# Altium PCB SkayboardAgain.PcbDoc (part 3 of 4)
Units mil, origin at the board's own origin, x right, y up, seen from the top; angles counter-clockwise.
Board outline 13972.57 x 4222.54 mil, 2 copper layers (Top Layer, Bottom Layer); 416 components, 229 nets, 1126 pads, 222 vias.
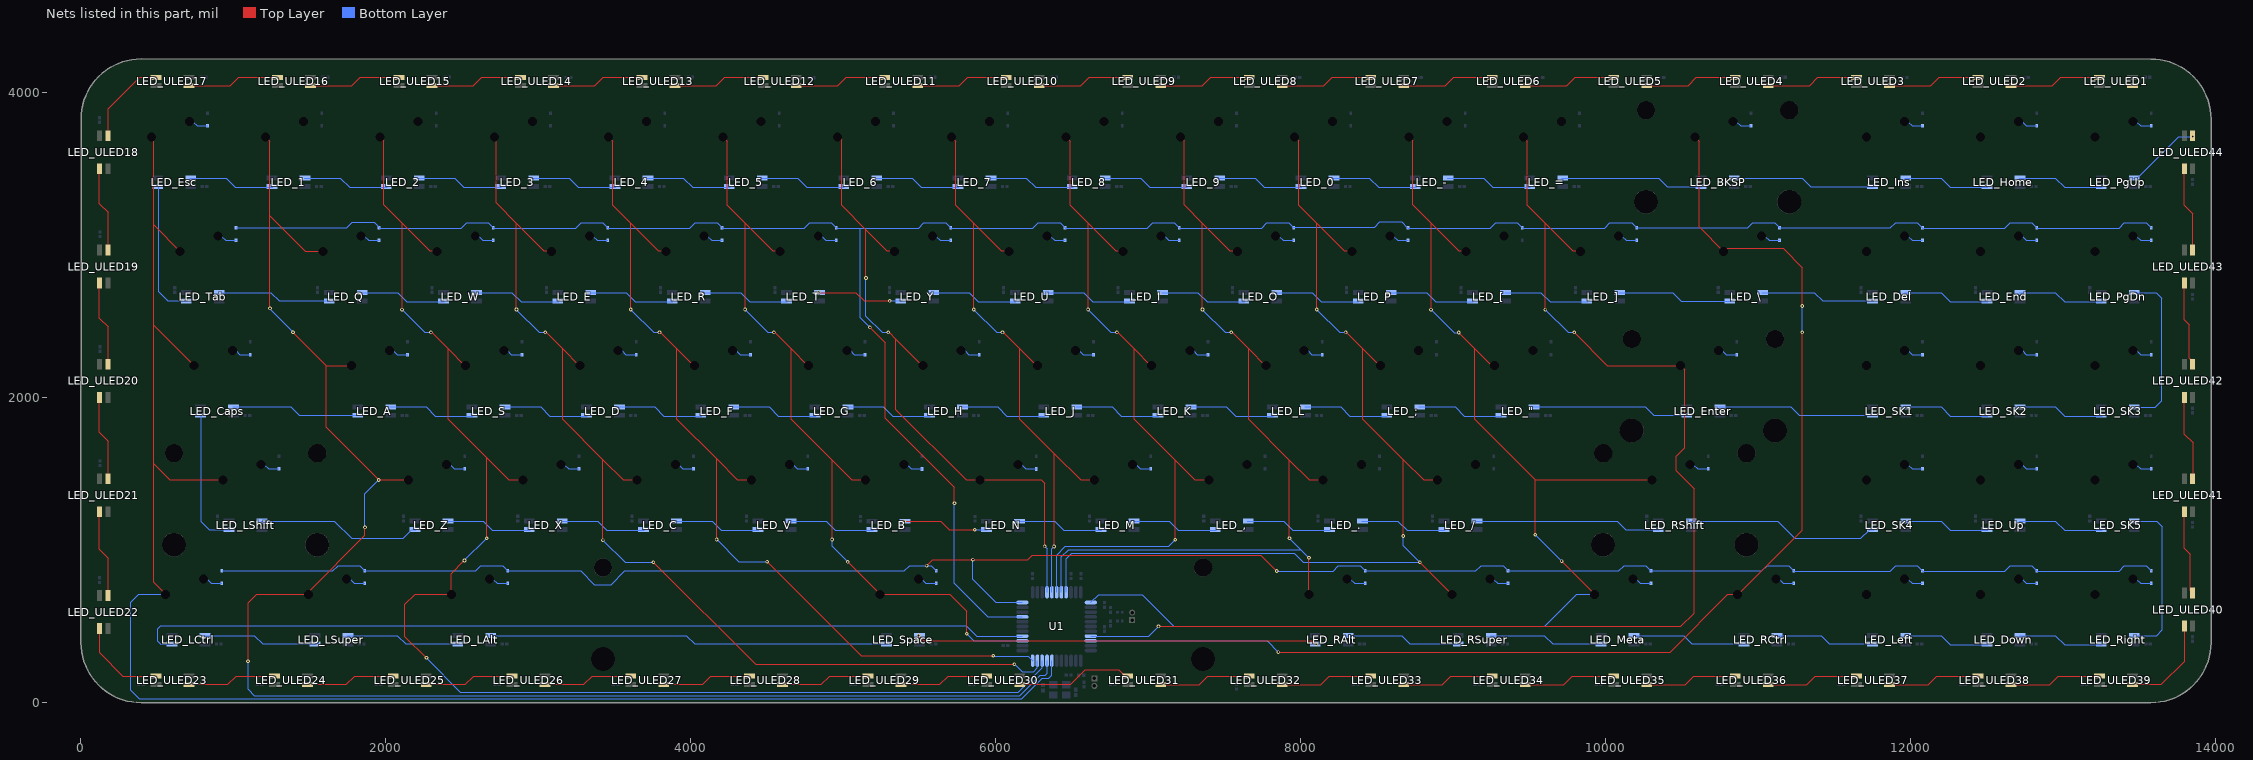
[diagram p3: the nets of this part, all layers, seen from the top]

## Via types
v1: diameter 35, hole 17, Top Layer to Bottom Layer, 135 vias
v2: diameter 24, hole 12, Top Layer to Bottom Layer, 86 vias
v3: diameter 30, hole 15, Top Layer to Bottom Layer, 1 vias

## Nets (pads, with @x,y where several pads share a name; then routed paths per layer and width w, separated by ;. In a path a pad name is that pad's centre, name@x,y a point inside that pad or via, vN(x,y) a via of type N, cw(c..) or ccw(c..) an arc to the next point about the centre after c; other vN are vias at no path point) (continued)
NetD_[_2: D_[.2 D_\.2 D_].2 D_Del.2 D_E.2 D_End.2 D_I.2 D_O.2 D_P.2 D_PgDn.2 D_Q.2 D_R.2 D_T.2 D_Tab.2 D_U.2 D_W.2 D_Y.2 U1.30 | length 16108.8
  Top Layer w5: v2(5175,2462) 5275.48,2361.52 5275.48,1866.52 5730,1412 v2(5730,1307.82)
  Bottom Layer w5: D_Tab.2@1017.45,3116.48 1744.48,3116.48 1780,3152 1922.24,3152 1948.64,3125.6 D_Q.2@1955.01,3119.23 ; D_Q.2@1957.75,3113.74 2494.47,3113.74 2529.99,3149.26 2672.23,3149.26 D_W.2@2705,3116.48 ; D_W.2@2707.75,3113.74 3244.47,3113.74 3279.99,3149.26 3422.23,3149.26 D_E.2@3455,3116.48 ; D_E.2@3457.76,3113.74 3994.48,3113.74 4030,3149.26 4172.24,3149.26 D_R.2@4205.02,3116.48 ; D_R.2@4207.76,3113.74 4744.48,3113.74 4780,3149.26 4922.24,3149.26 D_T.2@4955.02,3116.48 ; D_T.2@4957.76,3113.74 5112.56,3113.74 ; v2(5175,2462) 5112.56,2524.44 5112.56,3113.74 ; D_Y.2@5705.02,3116.48 5672.24,3149.26 5530,3149.26 5494.48,3113.74 5112.56,3113.74 ; D_Y.2@5707.76,3113.74 6244.48,3113.74 6280,3149.26 6422.24,3149.26 D_U.2@6455.02,3116.48 ; v2(5730,1307.82) 5730,782 5949.01,562.99 U1.30@6175.59,562.99 ; D_U.2@6457.76,3113.74 6994.48,3113.74 7030,3149.26 7172.24,3149.26 D_I.2@7205.02,3116.48 ; D_I.2@7207.76,3113.74 7744.48,3113.74 7780,3149.26 7922.24,3149.26 D_O.2@7952.24,3119.26 ; D_O.2@7948.74,3119.26 D_O.2@7952.24,3119.26 ; D_O.2@7955.02,3116.48 D_O.2@7952.24,3119.26 ; D_P.2@8705.02,3116.48 8701.52,3116.48 8663.23,3154.77 8520.99,3154.77 8485.47,3119.26 D_O.2@7952.24,3119.26 ; D_P.2@8707.76,3113.74 9244.48,3113.74 9280,3149.26 9422.24,3149.26 D_[.2@9455.02,3116.48 ; D_[.2@9457.76,3113.74 9994.48,3113.74 10030,3149.26 10172.24,3149.26 D_].2@10205.02,3116.48 ; D_].2@10207,3114 10932.19,3114 10967.44,3149.26 11109.68,3149.26 D_\.2@11142.46,3116.48 ; D_\.2@11146,3114 11869.75,3114 11905,3149.26 12047.24,3149.26 D_Del.2@12080.02,3116.48 ; D_Del.2@12082.76,3113.74 12619.48,3113.74 12655,3149.26 12797.24,3149.26 D_End.2@12830.02,3116.48 ; D_End.2@12832.76,3113.74 13369.48,3113.74 13405,3149.26 13547.24,3149.26 D_PgDn.2@13580.02,3116.48
NetD_\_1: D_\.1 MX_\.2 | length 130.3
  Bottom Layer w5: MX_\.2@11023.74,3061.26 11046.07,3061.26 11073.92,3033.41 D_\.1@11142.46,3033.41
NetD_]_1: D_].1 MX_].2 | length 130.3
  Bottom Layer w5: MX_].2@10086.3,3061.26 10108.62,3061.26 10136.48,3033.41 D_].1@10205.02,3033.41
NetD_A_1: D_A.1 MX_A.2 | length 130.3
  Bottom Layer w5: MX_A.2@2023.73,2311.26 2046.06,2311.26 2073.91,2283.41 D_A.1@2142.45,2283.41
NetD_B_1: D_B.1 MX_B.2 | length 130.3
  Bottom Layer w5: MX_B.2@5397.79,1560.91 5420.11,1560.91 5447.96,1533.06 D_B.1@5516.5,1533.06
NetD_BKSP_1: D_BKSP.1 MX_BKSP.2 | length 130.3
  Bottom Layer w5: MX_BKSP.2@10836.3,3811.31 10858.62,3811.31 10886.48,3783.46 D_BKSP.1@10955.02,3783.46
NetD_C_1: D_C.1 MX_C.2 | length 130.3
  Bottom Layer w5: MX_C.2@3898.74,1561.26 3921.07,1561.26 3948.92,1533.41 D_C.1@4017.46,1533.41
NetD_Caps_1: D_Caps.1 MX_Caps.2 | length 130.3
  Bottom Layer w5: MX_Caps.2@992.48,2311.26 1014.8,2311.26 1042.65,2283.41 D_Caps.1@1111.19,2283.41
NetD_D_1: D_D.1 MX_D.2 | length 130.3
  Bottom Layer w5: MX_D.2@3523.73,2311.26 3546.06,2311.26 3573.91,2283.41 D_D.1@3642.45,2283.41
NetD_Del_1: D_Del.1 MX_Del.2 | length 130.3
  Bottom Layer w5: MX_Del.2@11961.3,3061.26 11983.62,3061.26 12011.48,3033.41 D_Del.1@12080.02,3033.41
NetD_Down_1: D_Down.1 MX_Down.2 | length 130.3
  Bottom Layer w5: MX_Down.2@12711.3,811.26 12733.62,811.26 12761.48,783.41 D_Down.1@12830.02,783.41
NetD_Down_2: D_Down.2 D_LAlt.2 D_LCtrl.2 D_Left.2 D_LSuper.2 D_Meta.2 D_RAlt.2 D_RCtrl.2 D_Right.2 D_RSuper.2 D_Space.2 U1.33 | length 13646.7
  Top Layer w5: v2(5547.2,899.26) 5586.62,938.67 v2(5850.58,938.67) 6210.31,938.67 6239.32,967.68 7740.46,967.68 v2(7844.41,863.74)
  Bottom Layer w5: D_LCtrl.2@928,864 1650.93,864 1686.19,899.26 1828.43,899.26 D_LSuper.2@1861.2,866.48 ; D_LSuper.2@1863,864 2588.43,864 2623.69,899.26 2765.93,899.26 D_LAlt.2@2798.7,866.48 ; D_LAlt.2@2802,864 3277,864 3367,774 3477.04,774 3567.04,864 5400.93,864 5436.18,899.26 v2(5547.2,899.26) 5578.42,899.26 D_Space.2@5611.2,866.48 D_Space.2@5611.2,863.73 ; v2(5850.58,938.67) 5850.58,810.67 6001.24,660 6173.07,660 U1.33@6175.59,657.48 ; v2(7844.41,863.74) 8213.18,863.74 8248.7,899.26 8390.94,899.26 D_RAlt.2@8423.72,866.48 ; D_RAlt.2@8423,864 9150.93,864 9186.18,899.26 9328.42,899.26 D_RSuper.2@9361.2,866.48 ; D_RSuper.2@9364,864 10088.45,864 10123.7,899.26 10265.94,899.26 D_Meta.2@10298.72,866.48 ; D_Meta.2@10300,864 11025.93,864 11061.18,899.26 11203.42,899.26 D_RCtrl.2@11236.2,866.48 ; D_RCtrl.2@11239,863.74 11869.48,863.74 11905,899.26 12047.24,899.26 D_Left.2@12080.02,866.48 ; D_Left.2@12082.76,863.74 12619.48,863.74 12655,899.26 12797.24,899.26 D_Down.2@12830.02,866.48 ; D_Down.2@12832.76,863.74 13369.48,863.74 13405,899.26 13547.24,899.26 D_Right.2@13580.02,866.48
NetD_E_1: D_E.1 MX_E.2 | length 130.3
  Bottom Layer w5: MX_E.2@3336.29,3061.26 3358.61,3061.26 3386.46,3033.41 D_E.1@3455,3033.41
NetD_End_1: D_End.1 MX_End.2 | length 130.3
  Bottom Layer w5: MX_End.2@12711.3,3061.26 12733.62,3061.26 12761.48,3033.41 D_End.1@12830.02,3033.41
NetD_Enter_1: D_Enter.1 MX_Enter.2 | length 130.3
  Bottom Layer w5: MX_Enter.2@10742.48,2311.26 10764.81,2311.26 10792.66,2283.41 D_Enter.1@10861.2,2283.41
NetD_Esc_1: D_Esc.1 MX_Esc.2 | length 130.3
  Bottom Layer w5: MX_Esc.2@711.29,3811.31 733.61,3811.31 761.46,3783.46 D_Esc.1@830,3783.46
NetD_F_1: D_F.1 MX_F.2 | length 130.3
  Bottom Layer w5: MX_F.2@4273.74,2311.26 4296.07,2311.26 4323.92,2283.41 D_F.1@4392.46,2283.41
NetD_G_1: D_G.1 MX_G.2 | length 130.3
  Bottom Layer w5: MX_G.2@5023.74,2311.26 5046.07,2311.26 5073.92,2283.41 D_G.1@5142.46,2283.41
NetD_H_1: D_H.1 MX_H.2 | length 130.3
  Bottom Layer w5: MX_H.2@5773.74,2311.26 5796.07,2311.26 5823.92,2283.41 D_H.1@5892.46,2283.41
NetD_Home_1: D_Home.1 MX_Home.2 | length 130.3
  Bottom Layer w5: MX_Home.2@12711.3,3811.31 12733.62,3811.31 12761.48,3783.46 D_Home.1@12830.02,3783.46
NetD_I_1: D_I.1 MX_I.2 | length 130.3
  Bottom Layer w5: MX_I.2@7086.3,3061.26 7108.62,3061.26 7136.48,3033.41 D_I.1@7205.02,3033.41
NetD_Ins_1: D_Ins.1 MX_Ins.2 | length 130.3
  Bottom Layer w5: MX_Ins.2@11961.3,3811.31 11983.62,3811.31 12011.48,3783.46 D_Ins.1@12080.02,3783.46
NetD_J_1: D_J.1 MX_J.2 | length 130.3
  Bottom Layer w5: MX_J.2@6523.74,2311.26 6546.07,2311.26 6573.92,2283.41 D_J.1@6642.46,2283.41
NetD_K_1: D_K.1 MX_K.2 | length 130.3
  Bottom Layer w5: MX_K.2@7273.74,2311.26 7296.07,2311.26 7323.92,2283.41 D_K.1@7392.46,2283.41
NetD_L_1: D_L.1 MX_L.2 | length 130.3
  Bottom Layer w5: MX_L.2@8023.74,2311.26 8046.07,2311.26 8073.92,2283.41 D_L.1@8142.46,2283.41
NetD_LAlt_1: D_LAlt.1 MX_LAlt.2 | length 130.3
  Bottom Layer w5: MX_LAlt.2@2679.99,811.26 2702.31,811.26 2730.16,783.41 D_LAlt.1@2798.7,783.41
NetD_LCtrl_1: D_LCtrl.1 MX_LCtrl.2 | length 130.3
  Bottom Layer w5: MX_LCtrl.2@804.98,811.26 827.3,811.26 855.15,783.41 D_LCtrl.1@923.69,783.41
NetD_Left_1: D_Left.1 MX_Left.2 | length 130.3
  Bottom Layer w5: MX_Left.2@11961.3,811.26 11983.62,811.26 12011.48,783.41 D_Left.1@12080.02,783.41
NetD_LShift_1: D_LShift.1 MX_LShift.2 | length 130.3
  Bottom Layer w5: MX_LShift.2@1179.98,1561.26 1202.3,1561.26 1230.15,1533.41 D_LShift.1@1298.69,1533.41
NetD_LSuper_1: D_LSuper.1 MX_LSuper.2 | length 130.3
  Bottom Layer w5: MX_LSuper.2@1742.49,811.26 1764.81,811.26 1792.66,783.41 D_LSuper.1@1861.2,783.41
NetD_M_1: D_M.1 MX_M.2 | length 130.3
  Bottom Layer w5: MX_M.2@6898.74,1561.26 6921.07,1561.26 6948.92,1533.41 D_M.1@7017.46,1533.41
NetD_Meta_1: D_Meta.1 MX_Meta.2 | length 130.3
  Bottom Layer w5: MX_Meta.2@10180,811.26 10202.33,811.26 10230.18,783.41 D_Meta.1@10298.72,783.41
NetD_N_1: D_N.1 MX_N.2 | length 130.3
  Bottom Layer w5: MX_N.2@6147.96,1560.91 6170.29,1560.91 6198.14,1533.06 D_N.1@6266.68,1533.06
NetD_O_1: D_O.1 MX_O.2 | length 130.3
  Bottom Layer w5: MX_O.2@7836.3,3061.26 7858.62,3061.26 7886.48,3033.41 D_O.1@7955.02,3033.41
NetD_P_1: D_P.1 MX_P.2 | length 130.3
  Bottom Layer w5: MX_P.2@8586.3,3061.26 8608.62,3061.26 8636.48,3033.41 D_P.1@8705.02,3033.41
NetD_PgDn_1: D_PgDn.1 MX_PgDn.2 | length 130.3
  Bottom Layer w5: MX_PgDn.2@13461.3,3061.26 13483.62,3061.26 13511.48,3033.41 D_PgDn.1@13580.02,3033.41
NetD_PgUp_1: D_PgUp.1 MX_PgUp.2 | length 130.3
  Bottom Layer w5: MX_PgUp.2@13461.3,3811.31 13483.62,3811.31 13511.48,3783.46 D_PgUp.1@13580.02,3783.46
NetD_Q_1: D_Q.1 MX_Q.2 | length 130.3
  Bottom Layer w5: MX_Q.2@1836.29,3061.26 1858.61,3061.26 1886.46,3033.41 D_Q.1@1955,3033.41
NetD_R_1: D_R.1 MX_R.2 | length 130.3
  Bottom Layer w5: MX_R.2@4086.3,3061.26 4108.62,3061.26 4136.48,3033.41 D_R.1@4205.02,3033.41
NetD_RAlt_1: D_RAlt.1 MX_RAlt.2 | length 130.3
  Bottom Layer w5: MX_RAlt.2@8305,811.26 8327.33,811.26 8355.18,783.41 D_RAlt.1@8423.72,783.41
NetD_RCtrl_1: D_RCtrl.1 MX_RCtrl.2 | length 130.3
  Bottom Layer w5: MX_RCtrl.2@11117.48,811.26 11139.81,811.26 11167.66,783.41 D_RCtrl.1@11236.2,783.41
NetD_Right_1: D_Right.1 MX_Right.2 | length 130.3
  Bottom Layer w5: MX_Right.2@13461.3,811.26 13483.62,811.26 13511.48,783.41 D_Right.1@13580.02,783.41
NetD_RShift_1: D_RShift.1 MX_RShift.2 | length 130.3
  Bottom Layer w5: MX_RShift.2@10555,1561.26 10577.33,1561.26 10605.18,1533.41 D_RShift.1@10673.72,1533.41
NetD_RSuper_1: D_RSuper.1 MX_RSuper.2 | length 130.3
  Bottom Layer w5: MX_RSuper.2@9242.48,811.26 9264.81,811.26 9292.66,783.41 D_RSuper.1@9361.2,783.41
NetD_S_1: D_S.1 MX_S.2 | length 130.3
  Bottom Layer w5: MX_S.2@2773.73,2311.26 2796.06,2311.26 2823.91,2283.41 D_S.1@2892.45,2283.41
NetD_SK1_1: D_SK1.1 MX_SK1.2 | length 130.3
  Bottom Layer w5: MX_SK1.2@11961.3,2311.26 11983.62,2311.26 12011.48,2283.41 D_SK1.1@12080.02,2283.41
NetD_SK2_1: D_SK2.1 MX_SK2.2 | length 130.3
  Bottom Layer w5: MX_SK2.2@12711.3,2311.26 12733.62,2311.26 12761.48,2283.41 D_SK2.1@12830.02,2283.41
NetD_SK3_1: D_SK3.1 MX_SK3.2 | length 130.3
  Bottom Layer w5: MX_SK3.2@13461.3,2311.26 13483.62,2311.26 13511.48,2283.41 D_SK3.1@13580.02,2283.41
NetD_SK4_1: D_SK4.1 MX_SK4.2 | length 130.3
  Bottom Layer w5: MX_SK4.2@11961.3,1561.26 11983.62,1561.26 12011.48,1533.41 D_SK4.1@12080.02,1533.41
NetD_SK5_1: D_SK5.1 MX_SK5.2 | length 130.3
  Bottom Layer w5: MX_SK5.2@13461.3,1561.26 13483.62,1561.26 13511.48,1533.41 D_SK5.1@13580.02,1533.41
NetD_Space_1: D_Space.1 MX_Space.2 | length 130.3
  Bottom Layer w5: MX_Space.2@5492.48,811.26 5514.81,811.26 5542.66,783.41 D_Space.1@5611.2,783.41
NetD_T_1: D_T.1 MX_T.2 | length 130.3
  Bottom Layer w5: MX_T.2@4836.3,3061.26 4858.62,3061.26 4886.48,3033.41 D_T.1@4955.02,3033.41
NetD_Tab_1: D_Tab.1 MX_Tab.2 | length 130.3
  Bottom Layer w5: MX_Tab.2@898.73,3061.26 921.05,3061.26 948.91,3033.41 D_Tab.1@1017.45,3033.41
NetD_U_1: D_U.1 MX_U.2 | length 130.3
  Bottom Layer w5: MX_U.2@6336.3,3061.26 6358.62,3061.26 6386.48,3033.41 D_U.1@6455.02,3033.41
NetD_Up_1: D_Up.1 MX_Up.2 | length 130.3
  Bottom Layer w5: MX_Up.2@12711.3,1561.26 12733.62,1561.26 12761.48,1533.41 D_Up.1@12830.02,1533.41
NetD_V_1: D_V.1 MX_V.2 | length 130.3
  Bottom Layer w5: MX_V.2@4648.74,1561.26 4671.07,1561.26 4698.92,1533.41 D_V.1@4767.46,1533.41
NetD_W_1: D_W.1 MX_W.2 | length 130.3
  Bottom Layer w5: MX_W.2@2586.29,3061.26 2608.61,3061.26 2636.46,3033.41 D_W.1@2705,3033.41
NetD_X_1: D_X.1 MX_X.2 | length 130.3
  Bottom Layer w5: MX_X.2@3148.73,1561.26 3171.06,1561.26 3198.91,1533.41 D_X.1@3267.45,1533.41
NetD_Y_1: D_Y.1 MX_Y.2 | length 130.3
  Bottom Layer w5: MX_Y.2@5586.3,3061.26 5608.62,3061.26 5636.48,3033.41 D_Y.1@5705.02,3033.41
NetD_Z_1: D_Z.1 MX_Z.2 | length 130.3
  Bottom Layer w5: MX_Z.2@2398.73,1561.26 2421.06,1561.26 2448.91,1533.41 D_Z.1@2517.45,1533.41
NetLED_0_2: LED_0.2 LED_-.4 | length 569.3
  Bottom Layer w5: LED_0.2@8213.66,3440.56 8451.89,3440.56 8511.87,3380.58 LED_-.4@8758.07,3380.58
NetLED_1_2: LED_1.2 LED_2.4 | length 569.3
  Bottom Layer w5: LED_1.2@1463.57,3440.56 1701.8,3440.56 1761.78,3380.58 LED_2.4@2007.98,3380.58
NetLED_2_2: LED_2.2 LED_3.4 | length 569.3
  Bottom Layer w5: LED_2.2@2213.57,3440.56 2451.8,3440.56 2511.78,3380.58 LED_3.4@2757.98,3380.58
NetLED_3_2: LED_3.2 LED_4.4 | length 569.3
  Bottom Layer w5: LED_3.2@2963.57,3440.56 3201.8,3440.56 3261.78,3380.58 LED_4.4@3507.98,3380.58
NetLED_4_2: LED_4.2 LED_5.4 | length 569.3
  Bottom Layer w5: LED_4.2@3713.51,3440.56 3951.74,3440.56 4011.71,3380.58 LED_5.4@4257.92,3380.58
NetLED_5_2: LED_5.2 LED_6.4 | length 569.3
  Bottom Layer w5: LED_5.2@4463.58,3440.56 4701.81,3440.56 4761.79,3380.58 LED_6.4@5007.99,3380.58
NetLED_6_2: LED_6.2 LED_7.4 | length 569.3
  Bottom Layer w5: LED_6.2@5213.66,3440.56 5451.89,3440.56 5511.87,3380.58 LED_7.4@5758.07,3380.58
NetLED_7_2: LED_7.2 LED_8.4 | length 569.3
  Bottom Layer w5: LED_7.2@5963.58,3440.56 6201.81,3440.56 6261.79,3380.58 LED_8.4@6507.99,3380.58
NetLED_8_2: LED_8.2 LED_9.4 | length 569.3
  Bottom Layer w5: LED_8.2@6713.58,3440.56 6951.81,3440.56 7011.79,3380.58 LED_9.4@7257.99,3380.58
NetLED_9_2: LED_0.4 LED_9.2 | length 569.3
  Bottom Layer w5: LED_9.2@7463.66,3440.56 7701.89,3440.56 7761.87,3380.58 LED_0.4@8008.07,3380.58
"NetLED_\"_2": "LED_\".2" LED_Enter.4 | length 1036.8
  Bottom Layer w5: 9526.1,1940.5 10260.53,1940.5 10315.65,1885.39 LED_Enter.4@10540.12,1885.39
NetLED_,_2: LED_,.2 LED_M.4 | length 569.3
  Bottom Layer w5: LED_M.4@6901.1,1190.5 7139.33,1190.5 7199.31,1130.53 7445.51,1130.53
NetLED_-_2: LED_-.2 LED_=.4 | length 569.3
  Bottom Layer w5: LED_-.2@8963.66,3440.56 9201.89,3440.56 9261.87,3380.58 LED_=.4@9508.07,3380.58
NetLED_._2: LED_,.4 LED_..2 | length 569.3
  Bottom Layer w5: 7651.1,1190.5 7889.33,1190.5 7949.31,1130.53 LED_..2@8195.51,1130.53
NetLED_/_2: LED_..4 LED_/.2 | length 569.3
  Bottom Layer w5: LED_..4@8401.1,1190.5 8639.33,1190.5 8699.31,1130.53 LED_/.2@8945.51,1130.53
NetLED_;_2: "LED_\".4" LED_;.2 | length 569.3
  Bottom Layer w5: 8776.1,1940.5 9014.33,1940.5 9074.31,1880.53 9320.51,1880.53
NetLED_=_2: LED_=.2 LED_BKSP.4 | length 943.1
  Bottom Layer w5: LED_=.2@9713.66,3440.56 10349.14,3440.56 10404.26,3385.44 LED_BKSP.4@10633.94,3385.44
NetLED_[_2: LED_[.2 LED_P.4 | length 569.3
  Bottom Layer w5: LED_P.4@8588.66,2690.5 8826.89,2690.5 8886.87,2630.53 LED_[.2@9133.07,2630.53
NetLED_\_2: LED_\.2 LED_].4 | length 755.9
  Bottom Layer w5: LED_].4@10088.66,2690.5 10440.5,2690.5 10496,2635 10820.99,2635 LED_\.2@10821.38,2635.39
NetLED_]_2: LED_[.4 LED_].2 | length 569.3
  Bottom Layer w5: LED_[.4@9338.66,2690.5 9576.89,2690.5 9636.87,2630.53 LED_].2@9883.07,2630.53
NetLED_A_2: LED_A.2 LED_S.4 | length 569.3
  Bottom Layer w5: LED_A.2@2026.1,1940.5 2264.33,1940.5 2324.3,1880.53 LED_S.4@2570.51,1880.53
NetLED_B_2: LED_B.2 LED_V.4 | length 569.3
  Bottom Layer w5: LED_V.4@4651.1,1190.5 4889.33,1190.5 4949.31,1130.53 LED_B.2@5195.51,1130.53
NetLED_BKSP_2: LED_BKSP.2 LED_Ins.4 | length 943.1
  Bottom Layer w5: LED_BKSP.2@10838.66,3440.56 11291.44,3440.56 11346.56,3385.44 LED_Ins.4@11758.94,3385.44
NetLED_C_2: LED_C.2 LED_X.4 | length 569.3
  Bottom Layer w5: LED_X.4@3151.1,1190.5 3389.33,1190.5 3449.3,1130.53 LED_C.2@3695.51,1130.53
NetLED_Caps_2: LED_A.4 LED_Caps.2 | length 849.4
  Bottom Layer w5: LED_Caps.2@994.84,1940.5 1377.5,1940.5 1432.61,1885.39 LED_A.4@1821.37,1885.39
NetLED_D_2: LED_D.2 LED_F.4 | length 569.3
  Bottom Layer w5: LED_D.2@3526.1,1940.5 3764.33,1940.5 3824.3,1880.53 LED_F.4@4070.51,1880.53
NetLED_Del_2: LED_\.4 LED_Del.2 | length 755.7
  Bottom Layer w5: LED_\.4@11026.1,2690.5 11371.5,2690.5 11426.61,2635.39 LED_Del.2@11758.94,2635.39
NetLED_Down_2: LED_Down.2 LED_Right.4 | length 569.3
  Bottom Layer w5: LED_Down.2@12713.66,440.5 12951.89,440.5 13011.87,380.53 LED_Right.4@13258.07,380.53
NetLED_E_2: LED_E.2 LED_W.4 | length 569.3
  Bottom Layer w5: LED_W.4@2588.65,2690.5 2826.88,2690.5 2886.86,2630.53 LED_E.2@3133.06,2630.53
NetLED_End_2: LED_Del.4 LED_End.2 | length 569.3
  Bottom Layer w5: LED_Del.4@11963.66,2690.5 12201.89,2690.5 12261.87,2630.53 LED_End.2@12508.07,2630.53
NetLED_Enter_2: LED_Enter.2 LED_SK1.4 | length 1036.9
  Bottom Layer w5: LED_Enter.2@10744.84,1940.5 11214.86,1940.5 11269.98,1885.39 LED_SK1.4@11758.94,1885.39
NetLED_Esc_2: LED_1.4 LED_Esc.2 | length 569.3
  Bottom Layer w5: LED_Esc.2@713.65,3440.56 951.88,3440.56 1011.85,3380.58 LED_1.4@1258.06,3380.58
NetLED_F_2: LED_F.2 LED_G.4 | length 569.3
  Bottom Layer w5: LED_F.2@4276.1,1940.5 4514.33,1940.5 4574.3,1880.53 LED_G.4@4820.51,1880.53
NetLED_G_2: LED_G.2 LED_H.4 | length 569.3
  Bottom Layer w5: LED_G.2@5026.1,1940.5 5264.33,1940.5 5324.31,1880.53 LED_H.4@5570.51,1880.53
NetLED_H_2: LED_H.2 LED_J.4 | length 569.3
  Bottom Layer w5: LED_H.2@5776.1,1940.5 6014.33,1940.5 6074.31,1880.53 LED_J.4@6320.51,1880.53
NetLED_Home_2: LED_Home.2 LED_PgUp.4 | length 569.3
  Bottom Layer w5: LED_Home.2@12713.66,3440.56 12951.89,3440.56 13011.87,3380.58 LED_PgUp.4@13258.07,3380.58
NetLED_I_2: LED_I.2 LED_U.4 | length 569.3
  Bottom Layer w5: LED_U.4@6338.66,2690.5 6576.89,2690.5 6636.87,2630.53 LED_I.2@6883.07,2630.53
NetLED_Ins_2: LED_Home.4 LED_Ins.2 | length 569.3
  Bottom Layer w5: LED_Ins.2@11963.66,3440.56 12201.89,3440.56 12261.87,3380.58 LED_Home.4@12508.07,3380.58
NetLED_J_2: LED_J.2 LED_K.4 | length 569.3
  Bottom Layer w5: LED_J.2@6526.1,1940.5 6764.33,1940.5 6824.31,1880.53 LED_K.4@7070.51,1880.53
NetLED_K_2: LED_K.2 LED_L.4 | length 569.3
  Bottom Layer w5: LED_K.2@7276.1,1940.5 7514.33,1940.5 7574.31,1880.53 LED_L.4@7820.51,1880.53
NetLED_L_2: LED_;.4 LED_L.2 | length 569.3
  Bottom Layer w5: LED_L.2@8026.1,1940.5 8264.33,1940.5 8324.31,1880.53 8570.51,1880.53
NetLED_LAlt_2: LED_LAlt.2 LED_Space.4 | length 2630.6
  Bottom Layer w5: LED_LAlt.2@2682.35,440.5 3970.5,440.5 4025.61,385.39 LED_Space.4@5290.12,385.39
NetLED_LCtrl_2: LED_LCtrl.2 LED_LSuper.4 | length 755.6
  Bottom Layer w5: LED_LCtrl.2@807.34,440.5 1137.5,440.5 1192.61,385.39 LED_LSuper.4@1540.12,385.39
NetLED_LCtrl_4: LED_LCtrl.4 U1.26 | length 5896.5
  Bottom Layer w5: LED_LCtrl.4@602.62,385.39 602.23,385 522,385 504,403 504,485.94 522.71,504.65 5807.34,504.65 5874.98,437.01 U1.26@6175.59,437.01
NetLED_Left_2: LED_Down.4 LED_Left.2 | length 569.3
  Bottom Layer w5: LED_Left.2@11963.66,440.5 12201.89,440.5 12261.87,380.53 LED_Down.4@12508.07,380.53
NetLED_LShift_2: LED_Caps.4 LED_LShift.2 | length 907.3
  Bottom Layer w5: LED_Caps.4@790.12,1885.39 790.12,1187 841.73,1135.39 LED_LShift.2@977.62,1135.39
NetLED_LSuper_2: LED_LAlt.4 LED_LSuper.2 | length 755.6
  Bottom Layer w5: LED_LSuper.2@1744.85,440.5 2075,440.5 2130.12,385.39 LED_LAlt.4@2477.63,385.39
NetLED_M_2: LED_M.2 LED_N.4 | length 569.3
  Bottom Layer w5: LED_N.4@6150.15,1190.15 6388.38,1190.15 6448.36,1130.18 LED_M.2@6694.56,1130.18
NetLED_Meta_2: LED_Meta.2 LED_RCtrl.4 | length 755.6
  Bottom Layer w5: LED_Meta.2@10182.36,440.5 10512.5,440.5 10567.61,385.39 LED_RCtrl.4@10915.12,385.39
NetLED_N_2: LED_B.4 LED_N.2 | length 569.1
  Top Layer w5: v2(5400.15,1190.15) 5638.38,1190.15 5694.53,1134 v2(5863,1134)
  Bottom Layer w5: v2(5863,1134) 5944.57,1134 LED_N.2@5945.6,1135.03
NetLED_O_2: LED_I.4 LED_O.2 | length 569.3
  Bottom Layer w5: LED_I.4@7088.66,2690.5 7326.89,2690.5 7386.87,2630.53 LED_O.2@7633.07,2630.53
NetLED_P_2: LED_O.4 LED_P.2 | length 569.3
  Bottom Layer w5: LED_O.4@7838.66,2690.5 8076.89,2690.5 8136.87,2630.53 LED_P.2@8383.07,2630.53
NetLED_PgDn_2: LED_End.4 LED_PgDn.2 | length 569.3
  Bottom Layer w5: LED_End.4@12713.66,2690.5 12951.89,2690.5 13011.87,2630.53 LED_PgDn.2@13258.07,2630.53
NetLED_PgUp_2: LED_PgUp.2 LED_ULED44.4 | length 502
  Bottom Layer w5: LED_PgUp.2@13463.66,3440.56 13489.25,3440.56 13762.37,3713.68 v2(13852.56,3713.68)
NetLED_Q_2: LED_Q.2 LED_Tab.4 | length 755.7
  Bottom Layer w5: LED_Tab.4@901.09,2690.5 1244.5,2690.5 1299.61,2635.39 LED_Q.2@1633.93,2635.39
NetLED_R_2: LED_E.4 LED_R.2 | length 569.3
  Bottom Layer w5: LED_E.4@3338.65,2690.5 3576.88,2690.5 3636.86,2630.53 LED_R.2@3883.06,2630.53
NetLED_RAlt_2: LED_RAlt.2 LED_RSuper.4 | length 755.6
  Bottom Layer w5: LED_RAlt.2@8307.36,440.5 8662.5,440.5 8717.61,385.39 LED_RSuper.4@9040.12,385.39
NetLED_RCtrl_2: LED_Left.4 LED_RCtrl.2 | length 661.9
  Bottom Layer w5: LED_RCtrl.2@11119.84,440.5 11414.5,440.5 11469.61,385.39 LED_Left.4@11758.94,385.39
NetLED_Right_2: LED_Right.2 LED_SK5.4 | length 1085.9
  Bottom Layer w5: LED_Right.2@13463.66,440.5 13616.5,440.5 13653,477 13653,1154 13616.5,1190.5 LED_SK5.4@13463.66,1190.5
NetLED_RShift_2: LED_/.4 LED_RShift.2 | length 1224.4
  Bottom Layer w5: LED_/.4@9151.1,1190.5 10077.5,1190.5 10132.61,1135.39 LED_RShift.2@10352.64,1135.39
NetLED_RSuper_2: LED_Meta.4 LED_RSuper.2 | length 755.6
  Bottom Layer w5: LED_RSuper.2@9244.84,440.5 9599.98,440.5 9655.09,385.39 LED_Meta.4@9977.6,385.39
NetLED_S_2: LED_D.4 LED_S.2 | length 569.3
  Bottom Layer w5: LED_S.2@2776.1,1940.5 3014.33,1940.5 3074.3,1880.53 LED_D.4@3320.51,1880.53
NetLED_SK1_2: LED_SK1.2 LED_SK2.4 | length 569.3
  Bottom Layer w5: LED_SK1.2@11963.66,1940.5 12201.89,1940.5 12261.87,1880.53 LED_SK2.4@12508.07,1880.53
NetLED_SK2_2: LED_SK2.2 LED_SK3.4 | length 569.3
  Bottom Layer w5: LED_SK2.2@12713.66,1940.5 12951.89,1940.5 13011.87,1880.53 LED_SK3.4@13258.07,1880.53
NetLED_SK3_2: LED_PgDn.4 LED_SK3.2 | length 1079.1
  Bottom Layer w5: LED_SK3.2@13463.66,1940.5 13465.17,1939 13608,1939 13651,1982 13651,2652 13612.5,2690.5 LED_PgDn.4@13463.66,2690.5
NetLED_SK4_2: LED_RShift.4 LED_SK4.2 | length 1272.4
  Bottom Layer w5: LED_RShift.4@10557.36,1190.5 11129.5,1190.5 11242.57,1077.43 11675.39,1077.43 11733.35,1135.39 LED_SK4.2@11758.94,1135.39
NetLED_SK5_2: LED_SK5.2 LED_Up.4 | length 569.3
  Bottom Layer w5: LED_Up.4@12713.66,1190.5 12951.89,1190.5 13011.87,1130.53 LED_SK5.2@13258.07,1130.53
NetLED_Space_2: LED_RAlt.4 LED_Space.2 | length 2630.6
  Top Layer w5: v2(5494.84,440.5) 5529.66,405.69 8074.63,405.69 8091.3,389.02 8099,389.02 v2(8102.64,385.39)
NetLED_T_2: LED_R.4 LED_T.2 | length 569.3
  Bottom Layer w5: LED_R.4@4088.65,2690.5 4326.88,2690.5 4386.86,2630.53 LED_T.2@4633.06,2630.53
NetLED_Tab_2: LED_Esc.4 LED_Tab.2 | length 902.5
  Bottom Layer w5: LED_Esc.4@508.92,3385.44 508.92,2695.1 568.64,2635.39 LED_Tab.2@696.37,2635.39
NetLED_U_2: LED_U.2 LED_Y.4 | length 569.3
  Bottom Layer w5: LED_Y.4@5588.66,2690.5 5826.89,2690.5 5886.87,2630.53 LED_U.2@6133.07,2630.53
NetLED_ULED1_2: LED_ULED1.2
NetLED_ULED2_2: LED_ULED1.4 LED_ULED2.2 | length 614.7
  Top Layer w5: LED_ULED2.2@12655.49,4047.44 12932.57,4047.44 12988.12,4103 LED_ULED1.4@13247.2,4103
NetLED_ULED3_2: LED_ULED2.4 LED_ULED3.2 | length 614.7
  Top Layer w5: LED_ULED3.2@11858.61,4047.44 12135.69,4047.44 12191.25,4103 LED_ULED2.4@12450.32,4103
NetLED_ULED4_2: LED_ULED3.4 LED_ULED4.2 | length 614.7
  Top Layer w5: LED_ULED4.2@11061.74,4047.44 11338.82,4047.44 11394.38,4103 LED_ULED3.4@11653.45,4103
NetLED_ULED5_2: LED_ULED4.4 LED_ULED5.2 | length 614.7
  Top Layer w5: LED_ULED5.2@10264.86,4047.44 10541.94,4047.44 10597.5,4103 LED_ULED4.4@10856.57,4103
NetLED_ULED6_2: LED_ULED5.4 LED_ULED6.2 | length 614.7
  Top Layer w5: LED_ULED6.2@9467.99,4047.44 9745.07,4047.44 9800.62,4103 LED_ULED5.4@10059.7,4103
NetLED_ULED7_2: LED_ULED6.4 LED_ULED7.2 | length 614.7
  Top Layer w5: LED_ULED7.2@8671.11,4047.44 8948.19,4047.44 9003.75,4103 LED_ULED6.4@9262.82,4103
NetLED_ULED8_2: LED_ULED7.4 LED_ULED8.2 | length 614.7
  Top Layer w5: LED_ULED8.2@7874.24,4047.44 8151.32,4047.44 8206.88,4103 LED_ULED7.4@8465.95,4103
NetLED_ULED9_2: LED_ULED8.4 LED_ULED9.2 | length 614.7
  Top Layer w5: LED_ULED9.2@7077.36,4047.44 7354.44,4047.44 7410,4103 LED_ULED8.4@7669.07,4103
NetLED_ULED10_2: LED_ULED9.4 LED_ULED10.2 | length 614.7
  Top Layer w5: LED_ULED10.2@6280.49,4047.44 6557.57,4047.44 6613.12,4103 LED_ULED9.4@6872.2,4103
NetLED_ULED11_2: LED_ULED10.4 LED_ULED11.2 | length 614.7
  Top Layer w5: LED_ULED11.2@5483.61,4047.44 5760.69,4047.44 5816.25,4103 LED_ULED10.4@6075.32,4103
NetLED_ULED12_2: LED_ULED11.4 LED_ULED12.2 | length 614.7
  Top Layer w5: LED_ULED12.2@4686.74,4047.44 4963.82,4047.44 5019.38,4103 LED_ULED11.4@5278.45,4103
NetLED_ULED13_2: LED_ULED12.4 LED_ULED13.2 | length 614.7
  Top Layer w5: LED_ULED13.2@3889.86,4047.44 4166.94,4047.44 4222.5,4103 LED_ULED12.4@4481.57,4103
NetLED_ULED14_2: LED_ULED13.4 LED_ULED14.2 | length 614.7
  Top Layer w5: LED_ULED14.2@3092.99,4047.44 3370.07,4047.44 3425.62,4103 LED_ULED13.4@3684.7,4103
NetLED_ULED15_2: LED_ULED14.4 LED_ULED15.2 | length 614.7
  Top Layer w5: LED_ULED15.2@2296.11,4047.44 2573.19,4047.44 2628.75,4103 LED_ULED14.4@2887.82,4103
NetLED_ULED16_2: LED_ULED15.4 LED_ULED16.2 | length 614.7
  Top Layer w5: LED_ULED16.2@1499.24,4047.44 1776.32,4047.44 1831.88,4103 LED_ULED15.4@2090.95,4103
NetLED_ULED17_2: LED_ULED16.4 LED_ULED17.2 | length 614.7
  Top Layer w5: LED_ULED17.2@702.36,4047.44 979.44,4047.44 1035,4103 LED_ULED16.4@1294.07,4103
NetLED_ULED18_2: LED_ULED17.4 LED_ULED18.2 | length 587.5
  Top Layer w5: LED_ULED18.2@177.56,3713.68 177.56,3895.19 384.92,4102.56 LED_ULED17.4@497.64,4102.56
NetLED_ULED19_2: LED_ULED18.4 LED_ULED19.2 | length 566.7
  Top Layer w5: LED_ULED18.4@120,3506.51 120,3273.26 177.56,3215.7 LED_ULED19.2@177.56,2963.62
NetLED_ULED20_2: LED_ULED19.4 LED_ULED20.2 | length 566.7
  Top Layer w5: LED_ULED19.4@120,2756.51 120,2523.26 177.56,2465.7 LED_ULED20.2@177.56,2213.62
NetLED_ULED21_2: LED_ULED20.4 LED_ULED21.2 | length 566.7
  Top Layer w5: LED_ULED20.4@120,2006.51 120,1773.26 177.56,1715.7 LED_ULED21.2@177.56,1463.62
NetLED_ULED22_2: LED_ULED21.4 LED_ULED22.2 | length 566.7
  Top Layer w5: LED_ULED21.4@120,1239.25 120,1006 177.56,948.44 LED_ULED22.2@177.56,696.36
NetLED_ULED23_2: LED_ULED22.4 LED_ULED23.2 | length 602.7
  Top Layer w5: LED_ULED22.4@122.44,491.64 122.44,327.56 275,175 497.2,175 LED_ULED23.2@497.64,174.56
NetLED_ULED24_2: LED_ULED23.4 LED_ULED24.2 | length 596.7
  Top Layer w5: LED_ULED23.4@702.36,119.44 963.01,119.44 1018.13,174.56 LED_ULED24.2@1276.21,174.56
NetLED_ULED25_2: LED_ULED24.4 LED_ULED25.2 | length 596.7
  Top Layer w5: LED_ULED24.4@1480.93,119.44 1741.58,119.44 1796.7,174.56 LED_ULED25.2@2054.78,174.56
NetLED_ULED26_2: LED_ULED25.4 LED_ULED26.2 | length 596.7
  Top Layer w5: LED_ULED25.4@2259.5,119.44 2520.15,119.44 2575.27,174.56 LED_ULED26.2@2833.35,174.56
NetLED_ULED27_2: LED_ULED26.4 LED_ULED27.2 | length 596.7
  Top Layer w5: LED_ULED26.4@3038.08,119.44 3298.73,119.44 3353.84,174.56 LED_ULED27.2@3611.92,174.56
NetLED_ULED28_2: LED_ULED27.4 LED_ULED28.2 | length 596.7
  Top Layer w5: LED_ULED27.4@3816.65,119.44 4077.3,119.44 4132.42,174.56 LED_ULED28.2@4390.49,174.56
NetLED_ULED29_2: LED_ULED28.4 LED_ULED29.2 | length 596.7
  Top Layer w5: LED_ULED28.4@4595.22,119.44 4855.87,119.44 4910.99,174.56 LED_ULED29.2@5169.07,174.56
NetLED_ULED30_2: LED_ULED29.4 LED_ULED30.2 | length 596.7
  Top Layer w5: LED_ULED29.4@5373.79,119.44 5634.44,119.44 5689.56,174.56 LED_ULED30.2@5947.64,174.56
NetLED_ULED31_2: LED_ULED30.4 LED_ULED31.2 | length 758.3
  Top Layer w5: LED_ULED30.4@6152.36,119.44 6493.28,119.44 6589.4,215.57 6806.43,215.57 LED_ULED31.2@6852,170
NetLED_ULED32_2: LED_ULED31.4 LED_ULED32.2 | length 614.7
  Top Layer w5: LED_ULED31.4@7077.8,119 7336.88,119 7392.43,174.56 LED_ULED32.2@7669.51,174.56
NetLED_ULED33_2: LED_ULED32.4 LED_ULED33.2 | length 614.7
  Top Layer w5: LED_ULED32.4@7874.68,119 8133.75,119 8189.31,174.56 LED_ULED33.2@8466.39,174.56
NetLED_ULED34_2: LED_ULED33.4 LED_ULED34.2 | length 614.7
  Top Layer w5: LED_ULED33.4@8671.55,119 8930.62,119 8986.18,174.56 LED_ULED34.2@9263.26,174.56
NetLED_ULED35_2: LED_ULED34.4 LED_ULED35.2 | length 614.7
  Top Layer w5: LED_ULED34.4@9468.43,119 9727.5,119 9783.06,174.56 LED_ULED35.2@10060.14,174.56
NetLED_ULED36_2: LED_ULED35.4 LED_ULED36.2 | length 614.7
  Top Layer w5: LED_ULED35.4@10265.3,119 10524.38,119 10579.93,174.56 LED_ULED36.2@10857.01,174.56
NetLED_ULED37_2: LED_ULED36.4 LED_ULED37.2 | length 614.7
  Top Layer w5: LED_ULED36.4@11062.18,119 11321.25,119 11376.81,174.56 LED_ULED37.2@11653.89,174.56
NetLED_ULED38_2: LED_ULED37.4 LED_ULED38.2 | length 614.7
  Top Layer w5: LED_ULED37.4@11859.05,119 12118.12,119 12173.68,174.56 LED_ULED38.2@12450.76,174.56
NetLED_ULED39_2: LED_ULED38.4 LED_ULED39.2 | length 615.3
  Top Layer w5: LED_ULED38.4@12655.49,119.44 12655.93,119 12915,119 12970.56,174.56 LED_ULED39.2@13247.64,174.56
NetLED_ULED40_2: LED_ULED39.4 LED_ULED40.2 | length 672.3
  Top Layer w5: 13469.55,136.63 13452.36,119.44 13647.44,119.44 13799,271 13799,507.34 LED_ULED40.2@13797.44,508.9
NetLED_ULED41_2: LED_ULED40.4 LED_ULED41.2 | length 566.7
  Top Layer w5: LED_ULED41.2@13797.44,1258.9 13797.44,1011.5 13835.37,973.57 13835.37,735.64 LED_ULED40.4@13855,716.01
NetLED_ULED42_2: LED_ULED41.4 LED_ULED42.2 | length 566.7
  Top Layer w5: LED_ULED42.2@13797.44,2008.9 13797.44,1761.5 13855,1703.95 LED_ULED41.4@13855,1466.01
NetLED_ULED43_2: LED_ULED42.4 LED_ULED43.2 | length 569
  Top Layer w5: LED_ULED43.2@13797.44,2758.9 13797.44,2511.51 13831,2477.95 13831,2259.33 13833.93,2256.4 13835.37,2256.4 13852.56,2239.21 LED_ULED42.4@13852.56,2213.62
NetLED_ULED44_2: LED_ULED43.4 LED_ULED44.2 | length 568.2
  Top Layer w5: LED_ULED44.2@13797.44,3508.95 13797.44,3261.56 13852.56,3206.44 LED_ULED43.4@13852.56,2963.62
NetLED_Up_2: LED_SK4.4 LED_Up.2 | length 569.3
  Bottom Layer w5: LED_SK4.4@11963.66,1190.5 12201.89,1190.5 12261.87,1130.53 LED_Up.2@12508.07,1130.53
NetLED_V_2: LED_C.4 LED_V.2 | length 569.3
  Bottom Layer w5: LED_C.4@3901.1,1190.5 4139.33,1190.5 4199.31,1130.53 LED_V.2@4445.51,1130.53
NetLED_W_2: LED_Q.4 LED_W.2 | length 569.3
  Bottom Layer w5: LED_Q.4@1838.65,2690.5 2076.88,2690.5 2136.86,2630.53 LED_W.2@2383.06,2630.53
NetLED_X_2: LED_X.2 LED_Z.4 | length 569.3
  Bottom Layer w5: LED_Z.4@2401.1,1190.5 2639.33,1190.5 2699.3,1130.53 LED_X.2@2945.51,1130.53
NetLED_Y_2: LED_T.4 LED_Y.2 | length 568.1
  Top Layer w5: v2(4838.66,2690.5) 5083.06,2690.5 5137.84,2635.73 v2(5304.84,2635.73)
  Bottom Layer w5: v2(5304.84,2635.73) 5383.6,2635.73 LED_Y.2@5383.94,2635.39
NetLED_Z_2: LED_LShift.4 LED_Z.2 | length 1084.8
  Bottom Layer w5: LED_LShift.4@1182.34,1190.5 1661.57,1190.5 1774.54,1077.54 2112.93,1077.54 2170.78,1135.39 LED_Z.2@2196.37,1135.39
NetMX_0_1: MX_0.1 MX_/.1 MX_;.1 MX_P.1 MX_RSuper.1 U1.41 | length 6764.3
  Top Layer w5: 7961.61,3711.6 7988.31,3684.91 7988.31,3264.28 8106.6,3145.98 ; v2(8106.6,2579.05) 8106.6,3145.98 ; v2@8300.72,2429.45 8409.66,2320.51 ; 8332.67,2965.54 8287.04,2965.54 8106.6,3145.98 ; 8518.59,2211.57 8409.66,2320.51 ; v2(8673.84,1093.78) 8673.84,1594.49 ; v2(8782.66,921.09) MX_RSuper.1@8992.48,711.26 ; 8899.09,1461.58 8806.76,1461.58 8673.84,1594.49 ; 8409.66,2320.51 8409.66,1858.68 8673.84,1594.49
  Bottom Layer w5: U1.41@6462.99,724.41 6462.99,945.69 6498.89,981.59 7958.69,981.59 8019.19,921.09 v2(8782.66,921.09) 8673.84,1029.9 v2(8673.84,1093.78) ; v2(8106.6,2579.05) 8256.21,2429.45 v2(8295.58,2429.45)
NetMX_1_1: MX_1.1 MX_A.1 MX_LSuper.1 MX_Q.1 MX_Z.1 U1.19 | length 10707.1
  Top Layer w5: v2(1095.67,272.3) 1095.67,654.51 1152.42,711.26 MX_LSuper.1@1492.49,711.26 ; MX_1.1@1211.21,3711.31 1239.52,3683 1239.52,3194.83 ; v2(1239.52,2586.59) 1239.52,3194.83 ; v2(1390.55,2429.62) 1608.43,2211.75 ; 1504.73,700.35 1493.33,711.75 1493.33,729.25 1862.99,1098.91 v2(1862.99,1150.09) ; 1587.1,2961.77 1472.58,2961.77 1239.52,3194.83 ; 1774.58,2211.75 1608.43,2211.75 ; 2148.94,1461.12 v2(1953.55,1461.12) 1608.43,1806.23 1608.43,2211.75
  Bottom Layer w5: v2(1095.67,272.3) 1095.67,89.03 1137.76,46.94 6159.15,46.94 6293.52,181.31 6325.29,181.31 6337.01,193.03 U1.19@6337.01,275.59 ; v2(1239.52,2586.59) 1239.52,2583.62 1390.55,2432.59 v2(1390.55,2429.62) ; v2(1862.99,1150.09) 1862.99,1370.57 v2(1953.55,1461.12)
NetMX_2_1: MX_2.1 MX_LAlt.1 MX_S.1 MX_W.1 MX_X.1 U1.20 | length 9170.6
  Top Layer w5: MX_2.1@1961.21,3711.31 1985.53,3686.99 1985.53,3266.36 2106.22,3145.67 ; v2(2106.22,2578.74) 2106.22,3145.67 ; v2(2267,294.41) 2263.21,294.41 2125,432.62 2125,644.8 2191.46,711.26 MX_LAlt.1@2429.99,711.26 ; v2(2295.2,2429.13) 2300.34,2429.13 2409.28,2320.2 ; 2332.29,2965.23 2286.66,2965.23 2106.22,3145.67 ; 2440.87,700.36 MX_LAlt.1@2429.99,711.26 ; v2(2515.67,933.07) 2429.96,847.36 MX_LAlt.1@2429.99,711.26 ; 2518.21,2211.26 2409.28,2320.2 ; v2(2661.34,1078.74) 2661.34,1606.3 ; MX_X.1@2898.73,1461.26 2806.38,1461.26 2661.34,1606.3 ; 2409.28,2320.2 2409.28,1858.36 2661.34,1606.3
  Bottom Layer w5: v2(2106.22,2578.74) 2255.83,2429.13 v2(2295.2,2429.13) ; v2(2267,294.41) 2267,291.56 2489.36,69.19 6146.97,69.19 6305.51,227.74 U1.20@6305.51,275.59 ; v2(2515.67,933.07) v2(2661.34,1078.74)
NetMX_3_1: MX_3.1 MX_C.1 MX_D.1 MX_E.1 U1.21 | length 6962.5
  Top Layer w5: 2711.52,3711.6 2722.65,3700.47 2722.65,3279.84 2856.51,3145.98 ; v2(2856.51,2579.05) 2856.51,3145.98 ; v2@3050.63,2429.45 3159.57,2320.51 ; 3082.58,2965.54 3036.95,2965.54 2856.51,3145.98 ; 3268.5,2211.57 3159.57,2320.51 ; v2(3423.4,1066.6) 3423.4,1594.84 ; 3649,1461.58 3556.67,1461.58 3423.4,1594.84 ; v2(3755,921) 4424.93,251.07 6121.92,251.07 v2(6122.68,251.82) ; 3159.57,2320.51 3159.57,1858.68 3423.4,1594.84
  Bottom Layer w5: v2(2856.51,2579.05) 3006.12,2429.45 v2(3045.49,2429.45) ; v2(3423.4,1066.6) 3569,921 v2(3755,921) ; v2(6122.68,251.82) 6126.23,251.82 6173.87,204.19 6250.44,204.19 6274.02,227.77 U1.21@6274.02,275.59
NetMX_4_1: MX_4.1 MX_F.1 MX_R.1 MX_V.1 U1.22 | length 6098.9
  Top Layer w5: 3461.46,3711.6 3488.66,3684.4 3488.66,3263.77 3606.44,3145.98 ; v2(3606.44,2579.05) 3606.44,3145.98 ; v2@3800.56,2429.45 3909.5,2320.51 ; 3832.52,2965.54 3786.89,2965.54 3606.44,3145.98 ; 4018.44,2211.57 3909.5,2320.51 ; v2(4169.38,1070.55) 4169.38,1598.79 ; 4398.93,1461.58 4306.6,1461.58 4169.38,1598.79 ; v2(4500.99,924.95) 5117.93,308 v2(5984,308) ; 3909.5,2320.51 3909.5,1858.68 4169.38,1598.79
  Bottom Layer w5: v2(3606.44,2579.05) 3756.05,2429.45 v2(3795.42,2429.45) ; v2(4169.38,1070.55) 4314.99,924.95 v2(4500.99,924.95) ; v2(5984,308) 5987.43,304.57 6213.54,304.57 U1.22@6242.52,275.59
NetMX_5_1: MX_5.1 MX_B.1 MX_G.1 MX_Space.1 MX_T.1 U1.25 | length 5325.2
  Top Layer w5: 4211.54,3711.6 4239.87,3683.26 4239.87,3262.63 4356.52,3145.98 ; v2(4356.52,2579.05) 4356.52,3145.98 ; v2@4550.64,2429.45 4659.58,2320.51 ; 4582.6,2965.54 4536.97,2965.54 4356.52,3145.98 ; 4768.52,2211.57 4659.58,2320.51 ; v2(4927.51,1070.52) 4927.51,1590.75 ; v2(5029.77,923.97) MX_Space.1@5242.48,711.26 5699.74,711.26 5809.95,601.05 v2(5809.95,452.12) ; 5149.01,1461.58 5056.68,1461.58 4927.51,1590.75 ; 4659.58,2320.51 4659.58,1858.68 4927.51,1590.75
  Bottom Layer w5: v2(4356.52,2579.05) 4506.13,2429.45 v2(4545.5,2429.45) ; v2(4927.51,1070.52) 4927.51,1026.24 v2(5029.77,923.97) ; v2(5809.95,452.12) 5856.56,405.51 U1.25@6175.59,405.51
NetMX_6_1: MX_6.1 MX_H.1 MX_N.1 MX_Y.1 U1.37 | length 4359.3
  Top Layer w5: MX_6.1@4961.3,3711.31 4972.16,3711.31 4989.06,3694.42 4989.06,3263.52 5149.07,3103.52 ; v2(5149.07,2785.8) 5149.07,3103.52 ; v2@5300.72,2429.45 5345.75,2384.41 ; 5332.67,2965.54 5287.04,2965.54 5149.07,3103.52 ; 5518.59,2211.57 5345.75,2384.41 ; MX_N.1@5897.96,1460.91 6300.09,1460.91 6321.51,1439.49 v2(6321.51,1025.39) ; 5899.09,1461.58 5805.63,1461.58 5345.75,1921.45 5345.75,2384.41
  Bottom Layer w5: v2(5149.07,2785.8) 5149.07,2536.59 5256.21,2429.45 v2(5295.58,2429.45) ; v2(6321.51,1025.39) 6337.01,1009.9 U1.37@6337.01,724.41
NetMX_7_1: MX_7.1 MX_J.1 MX_M.1 MX_U.1 U1.38 | length 4084.6
  Top Layer w5: 5711.54,3711.6 5739.74,3683.4 5739.74,3262.77 5856.52,3145.98 ; v2(5856.52,2579.05) 5856.52,3145.98 ; v2@6050.64,2429.45 6159.58,2320.51 ; 6082.6,2965.54 6036.97,2965.54 5856.52,3145.98 ; 6268.52,2211.57 6159.58,2320.51 ; v2(6383.84,1025.12) 6383.84,1634.41 ; 6649.01,1461.58 6556.68,1461.58 6383.84,1634.41 ; 6159.58,2320.51 6159.58,1858.68 6383.84,1634.41
  Bottom Layer w5: v2(5856.52,2579.05) 6006.13,2429.45 v2(6045.5,2429.45) ; U1.38@6368.5,724.41 6368.5,1009.78 v2(6383.84,1025.12)
NetMX_8_1: MX_8.1 MX_,.1 MX_I.1 MX_K.1 U1.39 | length 4752.9
  Top Layer w5: 6461.54,3711.6 6488.6,3684.54 6488.6,3263.91 6606.52,3145.98 ; v2(6606.52,2579.05) 6606.52,3145.98 ; v2@6800.64,2429.45 6909.58,2320.51 ; 6832.6,2965.54 6786.97,2965.54 6606.52,3145.98 ; 7018.52,2211.57 6909.58,2320.51 ; v2(7178,1069) 7178,1590.25 ; 7399.01,1461.58 7306.68,1461.58 7178,1590.25 ; 6909.58,2320.51 6909.58,1858.68 7178,1590.25
  Bottom Layer w5: U1.39@6400,724.41 6400,968 6457,1025 7134,1025 v2(7178,1069) ; v2(6606.52,2579.05) 6756.13,2429.45 v2(6795.5,2429.45)
NetMX_9_1: MX_9.1 MX_..1 MX_L.1 MX_O.1 MX_RAlt.1 U1.40 | length 5923.4
  Top Layer w5: 7211.61,3711.6 7236.49,3686.73 7236.49,3266.1 7356.6,3145.98 ; v2(7356.6,2579.05) 7356.6,3145.98 ; v2@7550.72,2429.45 7659.66,2320.51 ; 7582.67,2965.54 7537.04,2965.54 7356.6,3145.98 ; 7768.59,2211.57 7659.66,2320.51 ; v2(7927.5,1078.47) 7927.5,1590.83 ; MX_RAlt.1@8055,711.26 8055,835.49 8055.2,835.69 v2(8055.2,950.64) ; 8149.09,1461.58 8056.76,1461.58 7927.5,1590.83 ; 7659.66,2320.51 7659.66,1858.68 7927.5,1590.83
  Bottom Layer w5: U1.40@6431.5,724.41 6431.5,957.22 6478.27,1004 8001.91,1004 ; v2(7356.6,2579.05) 7506.21,2429.45 v2(7545.58,2429.45) ; v2(7927.5,1078.47) 7927.5,1078.41 8001.91,1004 ; v2(8055.2,950.64) v2(8055.2,950.64) 8001.91,1004
"NetMX_\"_1": "MX_\".1" MX_-.1 MX_[.1 MX_Meta.1 MX_RShift.1 U1.1 | length 8245.2
  Top Layer w5: MX_-.1@8711.3,3711.31 8737.17,3685.44 8737.17,3264.81 8856.29,3145.7 ; v2(8856.29,2578.77) 8856.29,3145.7 ; v2(9038,2428) 9038,2426 9142.36,2321.65 9142.36,2321.2 ; 9082.36,2965.26 9036.73,2965.26 8856.29,3145.7 ; 9251.29,2212.26 9142.36,2321.2 ; v2(9539.46,1101.81) 9539.46,1462.26 ; v2(9712.79,928.47) MX_Meta.1@9930,711.26 ; 10306,1462.26 9539.46,1462.26 ; 9142.36,2321.2 9142.36,1859.36 9539.46,1462.26
  Bottom Layer w5: U1.1@6624.41,657.48 6676.14,709.21 6960.79,709.21 7169.49,500.51 9600.44,500.51 9811.19,711.26 MX_Meta.1@9930,711.26 ; v2(8856.29,2578.77) 9007.06,2428 v2(9038,2428) ; v2(9539.46,1101.81) v2(9712.79,928.47)
NetMX_=_1: MX_=.1 MX_].1 MX_Enter.1 U1.8 | length 8258.5
  Top Layer w5: v2(7068.37,500.53) 10495.46,500.53 10582.34,587.41 10582.34,1404.38 10466.11,1520.61 10466.11,1616.78 10520.81,1671.48 10520.81,2182.93 MX_Enter.1@10492.48,2211.26 10013.16,2211.26 v2(9795.26,2429.16) ; MX_=.1@9461.3,3711.31 9488.01,3684.61 9488.01,3263.98 9606.29,3145.7 ; v2(9606.29,2578.77) 9606.29,3145.7 ; 9832.36,2965.26 9786.73,2965.26 9606.29,3145.7
  Bottom Layer w5: U1.8@6624.41,437.01 7004.84,437.01 v2(7068.37,500.53) ; v2(9606.29,2578.77) 9755.89,2429.16 v2(9795.26,2429.16)
NetMX_\_1: MX_\.1 MX_BKSP.1 MX_RCtrl.1 U1.9 | length 8142.6
  Top Layer w5: v2(7854.93,331.5) 10424.08,331.5 10803.84,711.26 MX_RCtrl.1@10867.48,711.26 ; MX_BKSP.1@10586.3,3711.31 10614.04,3683.58 10614.04,3120.97 MX_\.1@10773.74,2961.26 ; 10778.98,2957.98 10801.32,2980.32 11165.35,2980.32 11291.34,2854.33 v2(11291.34,2602.36) ; 10881.1,714.1 10881.1,722.24 11291.24,1132.39 ; 11291.34,1132.44 v2(11291.34,2429.13)
  Bottom Layer w5: U1.9@6624.41,405.51 7780.91,405.51 v2(7854.93,331.5) ; v2(11291.34,2429.13) v2(11291.34,2602.36)
NetMX_Caps_1: MX_Caps.1 MX_Esc.1 MX_LCtrl.1 MX_LShift.1 MX_Tab.1 U1.18 | length 11231.1
  Top Layer w5: MX_Esc.1@461.29,3711.31 476.38,3696.22 ; 476.38,3696.22 476.38,3133.66 ; 570.87,695.43 476.38,789.91 476.38,1566.93 ; 648.78,2961.26 476.38,3133.66 ; MX_Caps.1@742.48,2211.26 476.38,2477.41 ; 929.61,1460.83 582.47,1460.83 476.38,1566.93 ; 476.38,1566.93 476.38,2477.41 ; 476.38,2477.41 476.38,3133.66
  Bottom Layer w5: MX_LCtrl.1@554.98,711.26 379.26,711.26 326,658 326,82 382.18,25.82 6170.56,25.82 6304.32,159.57 6348.4,159.57 6368.5,179.67 U1.18@6368.5,275.59